# Altium PCB as_x31.PcbDoc (part 1 of 8) (continued)
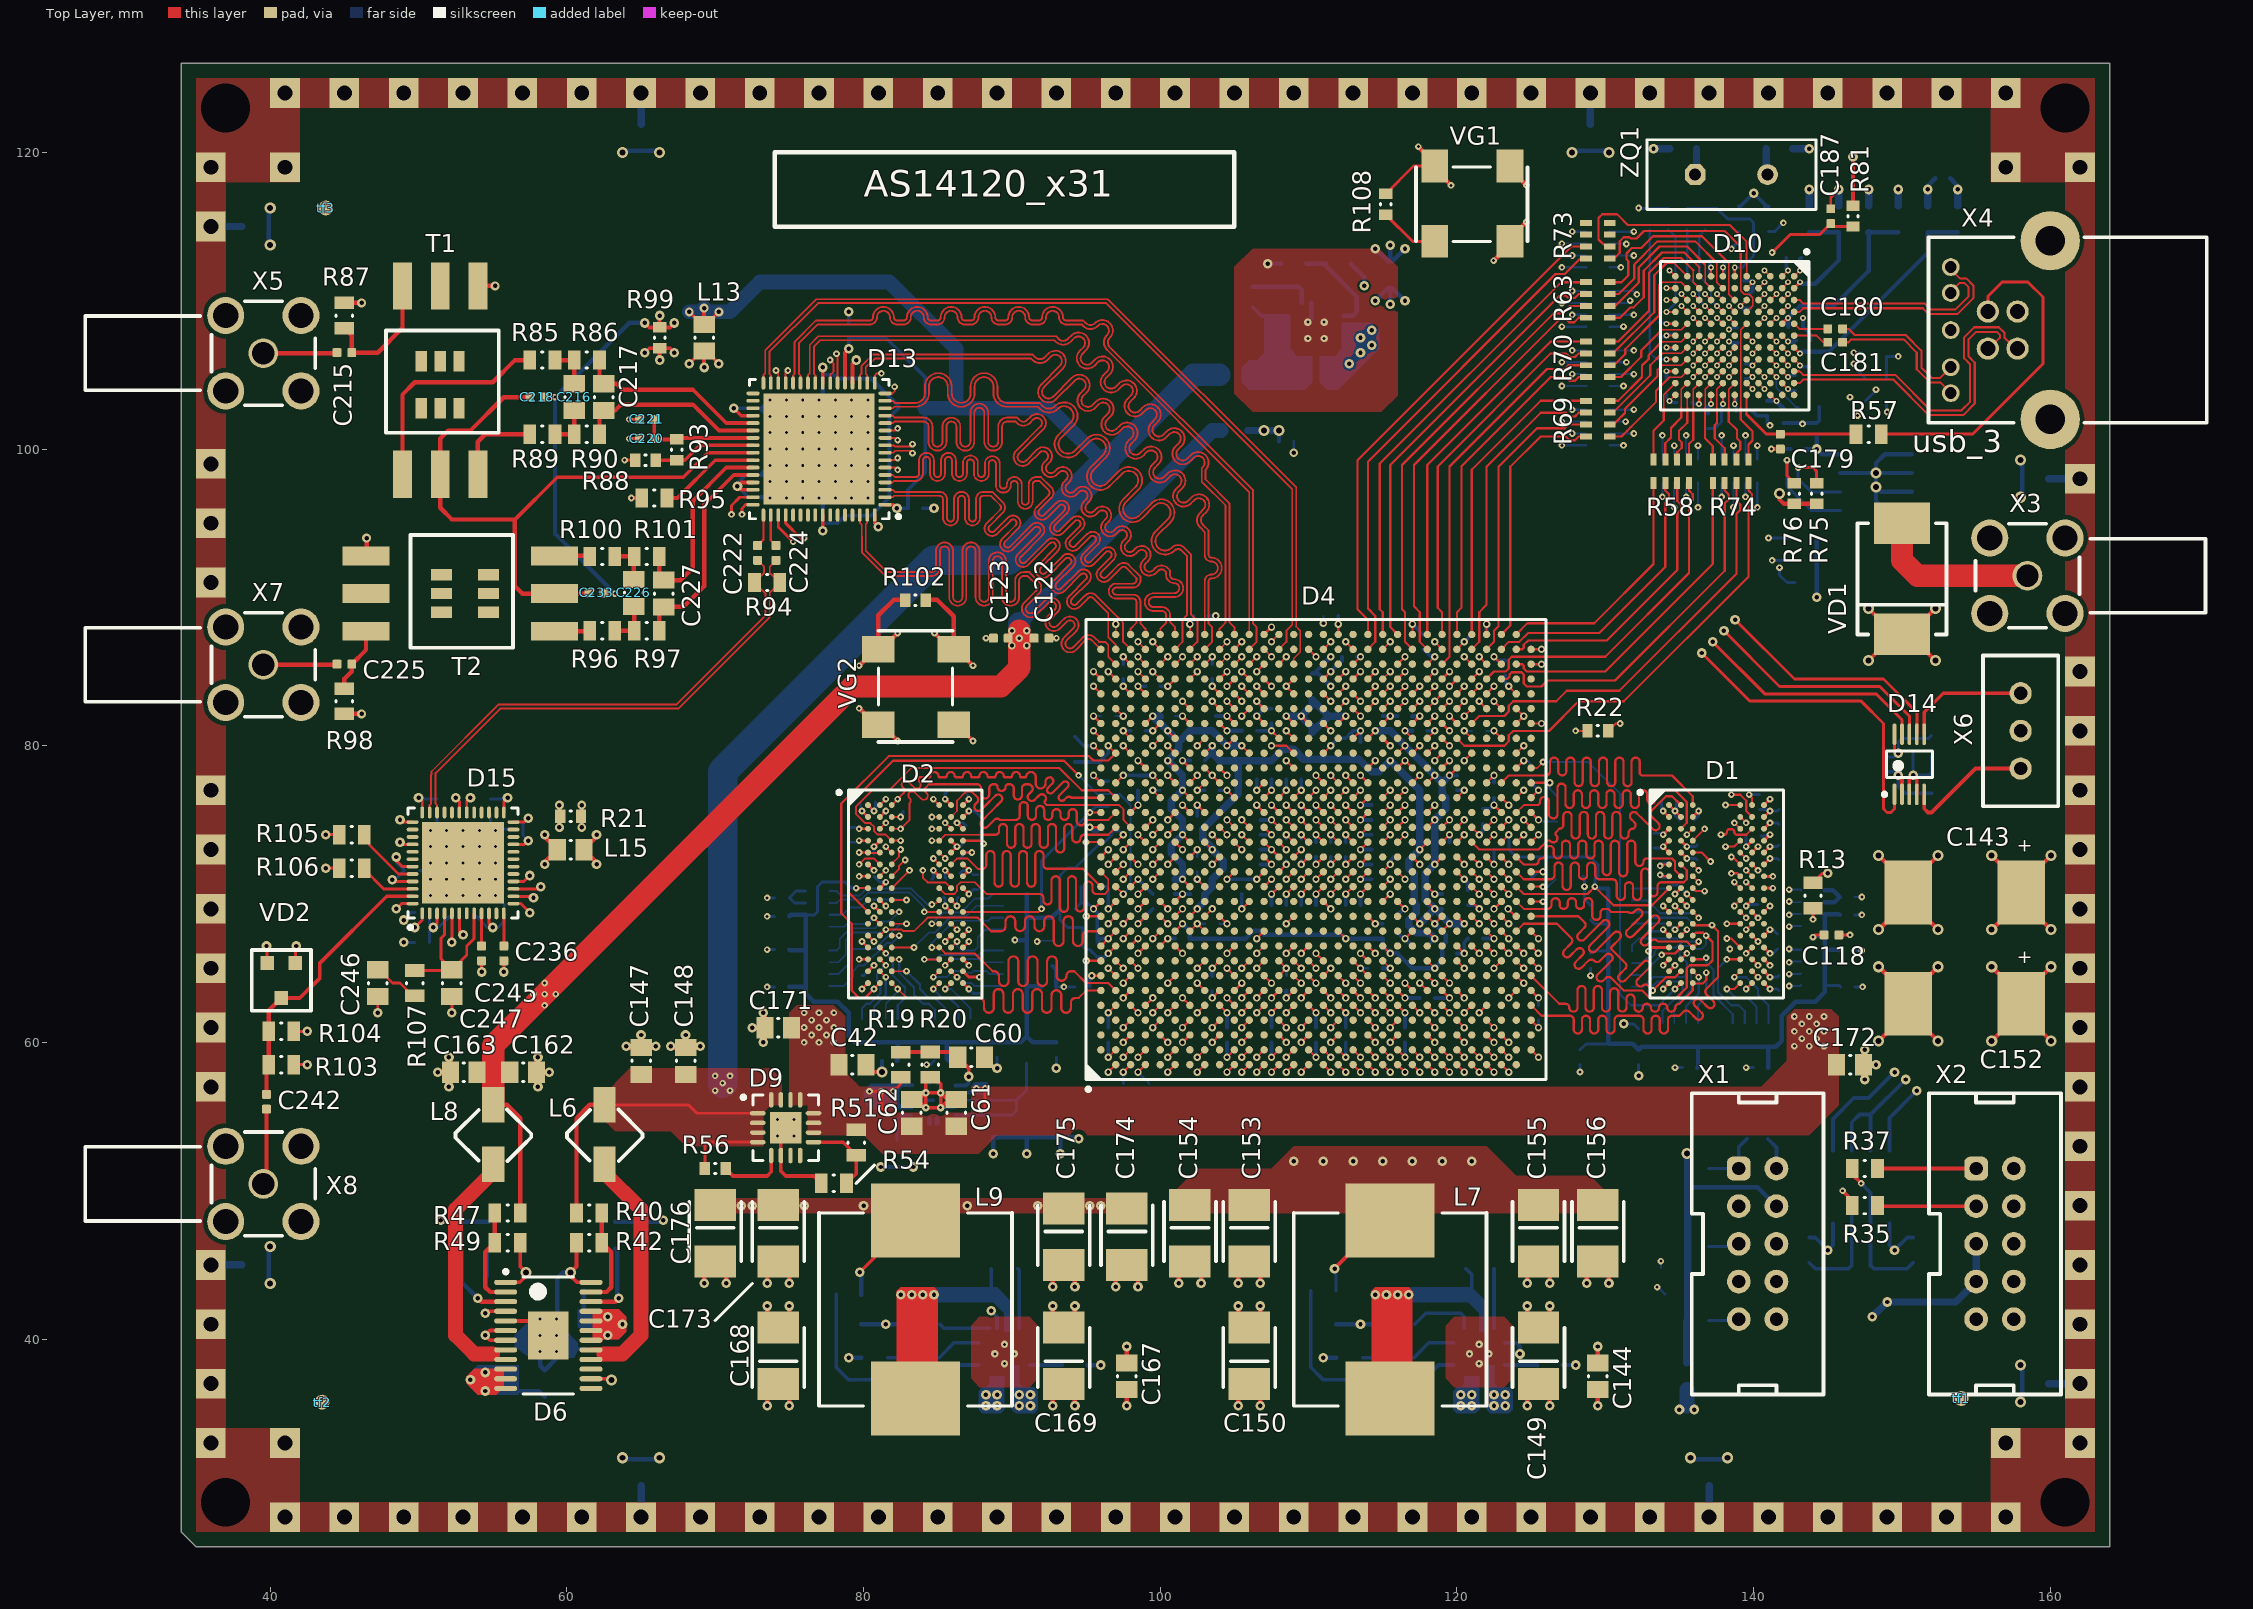
[diagram p0: Top Layer view]
## Components (designator, comment, footprint, x,y, rotation, side; value= is the part's Value field where it differs from the comment) (continued)
C159 "CAP_0805" CAPC0805(2012)100_N 61.25,40.25 r90 bottom
C160 "CAP_0805" CAPC0805(2012)100_N 56.25,39 r270 bottom
C161 "CAP_0805" CAPC0805(2012)100_N 116.25,41 r0 bottom
C162 "CAP_0805" CAPC0805(2012)100_N 57.05,58 r180 top
C163 "CAP_0805" CAPC0805(2012)100_N 53.05,58 r0 top
C164 "CAP_0805" CAPC0805(2012)100_N 54.75,47 r270 bottom
C165 "CAP_0805" CAPC0805(2012)100_N 52.75,47 r270 bottom
C166 "CAP_0805" CAPC0805(2012)100_N 112.75,38.75 r0 bottom
C167 "CAP_0805" CAPC0805(2012)100_N 97.75,37.5 r90 top
C168 "avx_b" AVX_B 74.25,41 r270 top
C169 "avx_b" AVX_B 93.5,41 r270 top
C170 "CAP_0805" CAPC0805(2012)100_N 89.5,44.75 r180 bottom
C171 "CAP_0805" CAPC0805(2012)100_N 74.25,61 r0 top
C172 "CAP_0805" CAPC0805(2012)100_N 146.5,58.5 r180 top
C173 "avx_b" AVX_B 74.25,45 r90 top
C174 "avx_b" AVX_B 97.75,44.75 r90 top
C175 "avx_b" AVX_B 93.5,44.75 r90 top
C176 "avx_b" AVX_B 70,45 r90 top
C177 "CAP_0805" CAPC0805(2012)100_N 84.25,41 r0 bottom
C178 "CAP_0805" CAPC0805(2012)100_N 80.75,38.75 r0 bottom
C179 "CAP 1uF 10V 0402(1005)" CAPC0402(1005)60_M 141.8,100.5 r270 top
C180 "CAP 1uF 10V 0402(1005)" CAPC0402(1005)60_M 145.5,108.1 r180 top
C181 "CAP 1uF 10V 0402(1005)" CAPC0402(1005)60_M 145.5,107.2 r180 top
C182 "CAP_0805" CAPC0805(2012)100_N 135.25,120.25 r0 bottom
C183 "CAP_0805" CAPC0805(2012)100_N 141.75,120.25 r180 bottom
C184 "CAP_0805" CAPC0805(2012)100_N 115.5,111.75 r270 bottom
C185 "CAP 1uF 10V 0402(1005)" CAPC0402(1005)60_M 143.729,111.646 r270 bottom
C186 "CAP_0805" CAPC0805(2012)100_N 145.75,115.5 r270 bottom
C187 "CAP 1uF 10V 0402(1005)" CAPC0402(1005)60_M 145.2,115.7 r270 top
C188 "CAP 1uF 10V 0402(1005)" CAPC0402(1005)60_M 142.829,108.246 r180 bottom
C189 "CAP_0805" CAPC0805(2012)100_N 149.75,115.5 r270 bottom
C190 "CAP 1uF 10V 0402(1005)" CAPC0402(1005)60_M 143.729,106.046 r90 bottom
C191 "CAP_0805" CAPC0805(2012)100_N 153.75,115.5 r270 bottom
C192 "CAP 1uF 10V 0402(1005)" CAPC0402(1005)60_M 133.629,108.046 r90 bottom
C193 "CAP 1uF 10V 0402(1005)" CAPC0402(1005)60_M 137.529,112.746 r180 bottom
C194 "CAP 1uF 10V 0402(1005)" CAPC0402(1005)60_M 138.329,102.546 r0 bottom
C195 "CAP 1uF 10V 0402(1005)" CAPC0402(1005)60_M 152.75,118.25 r180 bottom
C196 "CAP 1uF 10V 0402(1005)" CAPC0402(1005)60_M 139.429,105.246 r270 bottom
C197 "CAP 1uF 10V 0402(1005)" CAPC0402(1005)60_M 142.829,104.446 r270 bottom
C198 "CAP 1uF 10V 0402(1005)" CAPC0402(1005)60_M 135.329,103.146 r0 bottom
C199 "CAP 1uF 10V 0402(1005)" CAPC0402(1005)60_M 138.329,103.546 r0 bottom
C200 "CAP 1uF 10V 0402(1005)" CAPC0402(1005)60_M 134.629,107.246 r270 bottom
C201 "CAP 1uF 10V 0402(1005)" CAPC0402(1005)60_M 137.529,111.846 r180 bottom
C202 "CAP 1uF 10V 0402(1005)" CAPC0402(1005)60_M 108.5,100.5 r180 bottom
C203 "CAP 1uF 10V 0402(1005)" CAPC0402(1005)60_M 138.929,107.646 r270 bottom
C204 "CAP 1uF 10V 0402(1005)" CAPC0402(1005)60_M 134.129,104.246 r90 bottom
C205 "CAP 1uF 10V 0402(1005)" CAPC0402(1005)60_M 139.329,111.846 r90 bottom
C206 "CAP 1uF 10V 0402(1005)" CAPC0402(1005)60_M 139.729,109.946 r270 bottom
C207 "CAP 1uF 10V 0402(1005)" CAPC0402(1005)60_M 136.9,101.9 r90 bottom
C208 "CAP 1uF 10V 0402(1005)" CAPC0402(1005)60_M 142.7,112.9 r180 bottom
C209 "CAP 1uF 10V 0402(1005)" CAPC0402(1005)60_M 143,100 r0 bottom
C210 "CAP 1uF 10V 0402(1005)" CAPC0402(1005)60_M 142,102.25 r90 bottom
C211 "CAP 1uF 10V 0402(1005)" CAPC0402(1005)60_M 140.929,102.746 r90 bottom
C212 "CAP 1uF 10V 0402(1005)" CAPC0402(1005)60_M 144.25,101.25 r270 bottom
C213 "CAP 1uF 10V 0402(1005)" CAPC0402(1005)60_M 143.329,107.346 r180 bottom
C214 "CAP 1uF 10V 0402(1005)" CAPC0402(1005)60_M 139.929,103.046 r90 bottom
C215 "CAP 1uF 10V 0402(1005)" CAPC0402(1005)60_M 45,106.5 r0 top
C216 "CAP_0805" CAPC0805(2012)100_N 60.5,103.5 r90 top
C217 "CAP_0805" CAPC0805(2012)100_N 62.5,103.5 r90 top
C218 "CAP 1uF 10V 0402(1005)" CAPC0402(1005)60_M 58,103.5 r0 top
C219 "CAP 1uF 10V 0402(1005)" CAPC0402(1005)60_M 150.75,80 r270 bottom
C220 "CAP 1uF 10V 0402(1005)" CAPC0402(1005)60_M 65.4,100.7 r180 top
C221 "CAP 1uF 10V 0402(1005)" CAPC0402(1005)60_M 65.4,102 r180 top
C222 "CAP 1uF 10V 0402(1005)" CAPC0402(1005)60_M 72.85,93 r90 top
C223 "CAP 1uF 10V 0402(1005)" CAPC0402(1005)60_M 149,78.75 r270 bottom
C224 "CAP 1uF 10V 0402(1005)" CAPC0402(1005)60_M 74.1,93 r90 top
C225 "CAP 1uF 10V 0402(1005)" CAPC0402(1005)60_M 45,85.5 r0 top
C226 "CAP_0805" CAPC0805(2012)100_N 64.5,90.3 r270 top
C227 "CAP_0805" CAPC0805(2012)100_N 66.54,90.26 r270 top
C228 "CAP 1uF 10V 0402(1005)" CAPC0402(1005)60_M 77.25,104.5 r90 bottom
C229 "CAP 1uF 10V 0402(1005)" CAPC0402(1005)60_M 77.25,95.5 r270 bottom
C230 "CAP 1uF 10V 0402(1005)" CAPC0402(1005)60_M 72.55,102.75 r180 bottom
C231 "CAP 1uF 10V 0402(1005)" CAPC0402(1005)60_M 72.55,98.25 r180 bottom
C232 "CAP 1uF 10V 0402(1005)" CAPC0402(1005)60_M 72.55,96.75 r180 bottom
C233 "CAP 1uF 10V 0402(1005)" CAPC0402(1005)60_M 62,90.3 r0 top
C234 "CAP 1uF 10V 0402(1005)" CAPC0402(1005)60_M 83.5,96 r180 bottom
C235 "CAP 1uF 10V 0402(1005)" CAPC0402(1005)60_M 79,108 r270 bottom
C236 "CAP 1uF 10V 0402(1005)" CAPC0402(1005)60_M 55.75,66 r90 top
C237 "CAP 1uF 10V 0402(1005)" CAPC0402(1005)60_M 54.85,75.9 r90 bottom
C238 "CAP 1uF 10V 0402(1005)" CAPC0402(1005)60_M 51.25,75.9 r90 bottom
C239 "CAP 1uF 10V 0402(1005)" CAPC0402(1005)60_M 49.55,71.6 r180 bottom
C240 "CAP 1uF 10V 0402(1005)" CAPC0402(1005)60_M 55.8,68.7 r270 bottom
C241 "CAP 1uF 10V 0402(1005)" CAPC0402(1005)60_M 56.55,74.4 r0 bottom
C242 "CAP 1uF 10V 0402(1005)" CAPC0402(1005)60_M 39.75,56 r90 top
C243 "CAP 1uF 10V 0402(1005)" CAPC0402(1005)60_M 50.25,66.75 r0 bottom
C244 "CAP 1uF 10V 0402(1005)" CAPC0402(1005)60_M 50.25,68.75 r0 bottom
C245 "CAP 1uF 10V 0402(1005)" CAPC0402(1005)60_M 54.25,66 r90 top
C246 "CAP_0805" CAPC0805(2012)100_N 47.25,64 r90 top
C247 "CAP_0805" CAPC0805(2012)100_N 52.25,64 r90 top
C248 "CAP 1uF 10V 0402(1005)" CAPC0402(1005)60_M 134.3,76.2 r0 bottom
C249 "CAP 1uF 10V 0402(1005)" CAPC0402(1005)60_M 86.2,77 r180 bottom
C250 "CAP 1uF 10V 0402(1005)" CAPC0402(1005)60_M 115.9,68 r90 bottom
C251 "CAP 1uF 10V 0402(1005)" CAPC0402(1005)60_M 125,66.25 r0 bottom
C252 "CAP 1uF 10V 0402(1005)" CAPC0402(1005)60_M 125,78.25 r270 bottom
C253 "CAP 1uF 10V 0402(1005)" CAPC0402(1005)60_M 116,76.75 r180 bottom
D1 "MT41J256M16HA-125" MICT-HA-96 137.5,70 r0 top locked
D2 "MT41J256M16HA-125" MICT-HA-96 83.5,70 r0 top locked
D3 "TPS51200DRCT" TI-DRC10-2400X1650TP_V 84.7,56.1 r180 bottom
D4 "5CEFA7F31C8N" ALTR-896-FBGA-2000A 110.5,73 r90 top locked
D5 "SN65HVD78" 8S1_M 147.25,50.25 r270 bottom
D6 "LTC3615EFE#PBF" LT-FE-24-EPV-AA_N 58.75,40.25 r0 top
D7 "TPS54620RGYR" RGY14-2050X2050TP 121.5,39 r90 bottom
D8 "TPS54620RGYR" RGY14-2050X2050TP 89.5,39 r90 bottom
D9 "ADP1741" CP-16-4_N 74.75,54.25 r0 top
D10 "CYUSB3014" BGA121C80P11X11 138.729,107.646 r270 top locked
D11 "AT24C64(soic)" 8S1_N 148.25,97.75 r180 bottom
D12 "ADP1741" CP-16-4_N 110.5,108 r0 bottom
D13 "AD9640ABCPZ-125" CP-64-6_N 77,100 r180 top
D14 "AD5322ARM" RM-10_L 150.5,78.75 r90 top
D15 "AD9517-4ABCPZ" ADI-CP-48-8_L 53,72.1 r90 top
L1 "BLM21PG300SN1D" CAPC0805(2012)100_N 130.25,59 r90 bottom
L2 "BLM21PG300SN1D" CAPC0805(2012)100_N 91,59.5 r90 bottom
L3 "BLM21PG300SN1D" CAPC0805(2012)100_N 110.25,84 r270 bottom
L4 "BLM21PG300SN1D" CAPC0805(2012)100_N 110.25,80 r90 bottom
L5 "BLM21PG300SN1D" CAPC0805(2012)100_N 135.5,37.5 r270 bottom
L6 "IND_Sumida_CDRH3D16" IND_SUMIDA_CDRH3D16 62.5,53.75 r90 top
L7 "ind_cdr127_sumida" IND_CDR127_SUMIDA 115.5,42 r180 top
L8 "IND_Sumida_CDRH3D16" IND_SUMIDA_CDRH3D16 55,53.75 r90 top
L9 "ind_cdr127_sumida" IND_CDR127_SUMIDA 83.5,42 r180 top
L10 "BLM21PG300SN1D" CAPC0805(2012)100_N 143.75,115.5 r270 bottom
L11 "BLM21PG300SN1D" CAPC0805(2012)100_N 147.75,115.5 r270 bottom
L12 "BLM21PG300SN1D" CAPC0805(2012)100_N 151.75,115.5 r270 bottom
L13 "BLM21PG300SN1D" CAPC0805(2012)100_N 69.25,107.5 r90 top
L14 "BLM21PG300SN1D" CAPC0805(2012)100_N 83.25,102.75 r0 bottom
L15 "BLM21PG300SN1D" CAPC0805(2012)100_N 60.25,73 r0 top
L16 "BLM21PG300SN1D" CAPC0805(2012)100_N 53,68.5 r0 bottom
L17 "BLM21PG300SN1D" CAPC0805(2012)100_N 65,121 r90 bottom
L18 "BLM21PG300SN1D" CAPC0805(2012)100_N 129,121 r90 bottom
L19 "BLM21PG300SN1D" CAPC0805(2012)100_N 159,98 r0 bottom
L20 "BLM21PG300SN1D" CAPC0805(2012)100_N 159,37 r0 bottom
L21 "BLM21PG300SN1D" CAPC0805(2012)100_N 137,31 r270 bottom
L22 "BLM21PG300SN1D" CAPC0805(2012)100_N 65,31 r270 bottom
L23 "BLM21PG300SN1D" CAPC0805(2012)100_N 39,45 r180 bottom
L24 "BLM21PG300SN1D" CAPC0805(2012)100_N 39,115 r180 bottom
L25 "BLM21PG300SN1D" CAPC0805(2012)100_N 105,105 r0 bottom
L26 "BLM21PG300SN1D" CAPC0805(2012)100_N 105,101.25 r0 bottom
R1 "51" CAY16 144,70.25 r270 bottom
R2 "51" CAY16 76.9,67.8 r90 bottom
R3 "51" CAY16 131,63.75 r90 bottom
R4 "51" CAY16 131,67.975 r90 bottom
R5 "51" CAY16 76.9,63.8 r90 bottom
R6 "51" CAY16 144,66.25 r270 bottom
R7 "51" CAY16 90.2,70 r270 bottom
R8 "51" CAY16 87.2,60.8 r180 bottom
R9 "51" CAY16 136.25,60.5 r180 bottom
R10 "51" CAY16 82.3,60.8 r180 bottom
R11 "51" CAY16 141,60.5 r180 bottom
R12 "51" CAY16 90.2,66.2 r270 bottom
R13 "1K 1% 0805(2012)" RESC0805(2012)_L 144,69.9 r90 top
R14 "1K 1% 0805(2012)" RESC0805(2012)_L 92.75,66 r270 bottom
R15 "1K 1% 0805(2012)" RESC0805(2012)_L 126.75,75.75 r270 bottom
R16 "1K 1% 0805(2012)" RESC0805(2012)_L 96.5,76.75 r270 bottom
R17 "1K 1% 0805(2012)" RESC0805(2012)_L 132.25,61.75 r90 bottom
R18 "1K 1% 0805(2012)" RESC0805(2012)_L 94.25,79.75 r270 bottom
R19 "1K 1% 0805(2012)" RESC0805(2012)_L 82.5,58.5 r270 top
R20 "1K 1% 0805(2012)" RESC0805(2012)_L 84.5,58.5 r90 top
R21 "000" RESC0603(1608)_L 60.25,75.25 r180 top
R22 "240" RESC0603(1608)_L 129.5,81 r0 top
R23 "1K 1% 0805(2012)" RESC0805(2012)_L 95.5,70.5 r180 bottom
R24 "1K 1% 0805(2012)" RESC0805(2012)_L 125.8,71 r180 bottom
R25 "1K 5% 0603(1608)" RESC0603(1608)_L 136.25,46.25 r0 bottom
R26 "1K 5% 0603(1608)" RESC0603(1608)_L 136.25,51.5 r0 bottom
R27 "1K 5% 0603(1608)" RESC0603(1608)_L 136.25,41.25 r180 bottom
R28 "1K 5% 0603(1608)" RESC0603(1608)_L 134.75,44.5 r0 bottom
R29 "1K 5% 0603(1608)" RESC0603(1608)_L 134.75,43 r0 bottom
R30 "1K 5% 0603(1608)" RESC0603(1608)_L 143.5,92.5 r180 bottom
R31 "1K 5% 0603(1608)" RESC0603(1608)_L 143.5,94 r180 bottom
R32 "1K 5% 0603(1608)" RESC0603(1608)_L 143.5,91 r180 bottom
R33 "1K 5% 0603(1608)" RESC0603(1608)_L 140.25,53.5 r180 bottom
R34 "1K 1% 0805(2012)" RESC0805(2012)_L 143.75,46 r90 bottom
R35 "1K 1% 0805(2012)" RESC0805(2012)_L 147.5,49 r0 top
R36 "1K 1% 0805(2012)" RESC0805(2012)_L 147.25,44.75 r180 bottom
R37 "1K 1% 0805(2012)" RESC0805(2012)_L 147.5,51.5 r0 top
R38 "1K 1% 0805(2012)" RESC0805(2012)_L 150.75,46 r270 bottom
R39 "1K 1% 0805(2012)" RESC0805(2012)_L 98.4,57.2 r0 bottom
R40 "1K 1% 0805(2012)" RESC0805(2012)_L 61.5,48.5 r180 top
R41 "1K 1% 0805(2012)" RESC0805(2012)_L 111,43.25 r0 bottom
R42 "1K 1% 0805(2012)" RESC0805(2012)_L 61.5,46.5 r180 top
R43 "1K 1% 0805(2012)" RESC0805(2012)_L 64.25,44.25 r180 bottom
R44 "1K 1% 0805(2012)" RESC0805(2012)_L 111,41 r180 bottom
R45 "1K 1% 0805(2012)" RESC0805(2012)_L 126.25,38.25 r0 bottom
R46 "1K 1% 0805(2012)" RESC0805(2012)_L 116.25,38.75 r180 bottom
R47 "1K 1% 0805(2012)" RESC0805(2012)_L 56,48.5 r0 top
R48 "1K 1% 0805(2012)" RESC0805(2012)_L 53.75,44.25 r180 bottom
R49 "1K 1% 0805(2012)" RESC0805(2012)_L 56,46.5 r180 top
R50 "1K 1% 0805(2012)" RESC0805(2012)_L 79,43 r0 bottom
R51 "1K 1% 0805(2012)" RESC0805(2012)_L 79.5,53.25 r90 top
R52 "1K 1% 0805(2012)" RESC0805(2012)_L 79,41 r180 bottom
R53 "1K 1% 0805(2012)" RESC0805(2012)_L 94.25,38.25 r0 bottom
R54 "1K 1% 0805(2012)" RESC0805(2012)_L 78,50.5 r0 top
R55 "1K 1% 0805(2012)" RESC0805(2012)_L 84.25,38.75 r180 bottom
R56 "1K 5% 0603(1608)" RESC0603(1608)_L 70,51.5 r180 top
R57 "1K 1% 0805(2012)" RESC0805(2012)_L 147.75,101 r0 top
R58 "22" CAY16 133.25,98.5 r0 top
R59 "1K 5% 0603(1608)" RESC0603(1608)_L 148.25,106.25 r180 bottom
R60 "???" RESC0603(1608)_L 143.729,102.846 r0 bottom
R61 "1K 5% 0603(1608)" RESC0603(1608)_L 148.25,104.75 r180 bottom
R62 "1K 5% 0603(1608)" RESC0603(1608)_L 148.25,103.25 r180 bottom
R63 "22" CAY16 129.5,111.25 r270 top
R64 "22" CAY16 129.5,104.25 r90 bottom
R65 "22" CAY16 136.25,98.5 r180 bottom
R66 "22" CAY16 129.5,108.25 r90 bottom
R67 "Value" CAY16 140.25,98.5 r180 bottom
R68 "1K 1% 0805(2012)" RESC0805(2012)_L 141,115.5 r90 bottom
R69 "22" CAY16 129.5,103.25 r270 top
R70 "22" CAY16 129.5,107.25 r270 top
R71 "22" CAY16 129.5,100.25 r90 bottom
R72 "22" CAY16 129.5,112.25 r90 bottom
R73 "22" CAY16 129.5,115.25 r270 top
R74 "22" CAY16 137.25,98.5 r0 top
R75 "1K 5% 0603(1608)" RESC0603(1608)_L 144.25,97 r270 top
R76 "1K 5% 0603(1608)" RESC0603(1608)_L 142.75,97 r270 top
R77 "1K 5% 0603(1608)" RESC0603(1608)_L 136.75,115.5 r90 bottom
R78 "1K 5% 0603(1608)" RESC0603(1608)_L 135.5,115.5 r90 bottom
R79 "1K 5% 0603(1608)" RESC0603(1608)_L 134.25,115.5 r90 bottom
R80 "1K 5% 0603(1608)" RESC0603(1608)_L 133,115.5 r90 bottom
R81 "1K 5% 0603(1608)" RESC0603(1608)_L 146.7,115.7 r90 top
R82 "1K 1% 0805(2012)" RESC0805(2012)_L 112,112.5 r0 bottom
R83 "1K 1% 0805(2012)" RESC0805(2012)_L 109,112.5 r0 bottom
R84 "1K 5% 0603(1608)" RESC0603(1608)_L 106.25,110.25 r270 bottom
R85 "1K 1% 0805(2012)" RESC0805(2012)_L 58.35,106 r180 top
R86 "1K 1% 0805(2012)" RESC0805(2012)_L 61.35,106 r180 top
R87 "1K 1% 0805(2012)" RESC0805(2012)_L 45,109 r270 top
R88 "1K 5% 0603(1608)" RESC0603(1608)_L 65.3,99.25 r0 top
R89 "1K 1% 0805(2012)" RESC0805(2012)_L 58.35,101 r180 top
R90 "1K 1% 0805(2012)" RESC0805(2012)_L 61.35,101 r180 top
R91 "1k" RESC0603(1608)_L 152,77.5 r270 bottom
R92 "1k" RESC0603(1608)_L 152,80 r90 bottom
R93 "1K 5% 0603(1608)" RESC0603(1608)_L 67.4,99.95 r90 top
R94 "100" RESC0805(2012)_L 73.5,91 r180 top
R95 "10k 1%" RESC0805(2012)_L 65.9,96.7 r180 top
R96 "1K 1% 0805(2012)" RESC0805(2012)_L 62.39,87.76 r180 top
R97 "1K 1% 0805(2012)" RESC0805(2012)_L 65.39,87.76 r180 top
R98 "1K 1% 0805(2012)" RESC0805(2012)_L 45,83 r90 top
R99 "000" RESC0603(1608)_L 66.25,107.5 r270 top
R100 "1K 1% 0805(2012)" RESC0805(2012)_L 62.39,92.76 r180 top
R101 "1K 1% 0805(2012)" RESC0805(2012)_L 65.39,92.76 r180 top
R102 "1K 5% 0603(1608)" RESC0603(1608)_L 83.5,89.8 r180 top
R103 "1K 1% 0805(2012)" RESC0805(2012)_L 40.75,58.5 r0 top
R104 "1K 1% 0805(2012)" RESC0805(2012)_L 40.75,60.75 r180 top
R105 "1K 1% 0805(2012)" RESC0805(2012)_L 45.5,74 r180 top
R106 "1K 1% 0805(2012)" RESC0805(2012)_L 45.5,71.75 r180 top
R107 "1K 1% 0805(2012)" RESC0805(2012)_L 49.75,64 r270 top
R108 "1K 5% 0603(1608)" RESC0603(1608)_L 115.2,116.5 r270 top
R109 "1K 1% 0805(2012)" RESC0805(2012)_L 139,115.5 r90 bottom
T1 "TT1-6" TT!-6-KK81 54,111 r180 top
T2 "TT1-6" TT!-6-KK81 46.46,92.8 r270 top
tf1 "" fiducial_1/2 154,36 r0 top
tf2 "" fiducial_1/2 43.5,35.75 r0 top
tf3 "" fiducial_1/2 43.75,116.25 r0 top
VD1 "30BQ60" SMC 150,91.5 r90 top
VD2 "BAV99" SO-G3/X.9 40.75,64.175 r180 top
VG1 "kxo-v97" KXO-V97 118.5,114 r0 top
VG2 "kxo-v97" KXO-V97 81,86.5 r270 top
X1 "IDC10" IDC10M 139,51.5 r90 top
X2 "IDC10" IDC10M 155,51.5 r90 top
X3 "sma" SMA 158.46,91.46 r180 top
X4 "USB_3_B" USB3_B 153.29,108.02 r90 top
X5 "sma" SMA 39.54,106.46 r0 top
X6 "HU-3" HU-3 158,78.46 r90 top
X7 "sma" SMA 39.54,85.46 r0 top
X8 "sma" SMA 39.54,50.46 r0 top
ZQ1 "Resonator" BCY-W2/E4.7 138.5,118.5 r0 top

## Footprints (in the part's own frame and the unit in brackets; to place one, negate y for a bottom-side part, rotate by r counter-clockwise, add the part's x,y. Pads: shape width x height; smd on the part's side, far side on the other; paste and mask are expansions set on the pad)
8S1_M [mm] "SOIC, 8-Leads, Body 4.9x3.9mm, Pitch 1.27mm, IPC Low Density"
  oval 2.5x0.7 smd: 1(-2.45,1.905) 2(-2.45,0.635) 3(-2.45,-0.635) 4(-2.45,-1.905) 5(2.45,-1.905) 6(2.45,-0.635) 7(2.45,0.635) 8(2.45,1.905)
  silkscreen extent -2.57,-2.55 0.8,2.93, body extent -1.99,-2.52 1.99,2.52, height 1.75
8S1_N [mm] "SOIC, 8-Leads, Body 4.9x3.9mm, Pitch 1.27mm, IPC Medium Density"
  oval 2.2x0.6 smd: 1(-2.4,1.905) 2(-2.4,0.635) 3(-2.4,-0.635) 4(-2.4,-1.905) 5(2.4,-1.905) 6(2.4,-0.635) 7(2.4,0.635) 8(2.4,1.905)
  silkscreen extent -2.53,-2.55 0.9,2.88, body extent -1.99,-2.52 1.99,2.52, height 1.75
ADI-CP-48-8_L [mm] "QFN, 48-Leads, Body 7x7mm, Pitch 0.5mm, Thermal Pad 5.5x5.5mm, IPC High Density"
  oval 0.8x0.25 smd: 1(-3.4,2.75) 2(-3.4,2.25) 3(-3.4,1.75) 4(-3.4,1.25) 5(-3.4,0.75) 6(-3.4,0.25) 7(-3.4,-0.25) 8(-3.4,-0.75) 9(-3.4,-1.25) 10(-3.4,-1.75) 11(-3.4,-2.25) 12(-3.4,-2.75) 25(3.4,-2.75) 26(3.4,-2.25) 27(3.4,-1.75) 28(3.4,-1.25) 29(3.4,-0.75) 30(3.4,-0.25) 31(3.4,0.25) 32(3.4,0.75) 33(3.4,1.25) 34(3.4,1.75) 35(3.4,2.25) 36(3.4,2.75)
  oval 0.25x0.8 smd: 13(-2.75,-3.4) 14(-2.25,-3.4) 15(-1.75,-3.4) 16(-1.25,-3.4) 17(-0.75,-3.4) 18(-0.25,-3.4) 19(0.25,-3.4) 20(0.75,-3.4) 21(1.25,-3.4) 22(1.75,-3.4) 23(2.25,-3.4) 24(2.75,-3.4) 37(2.75,3.4) 38(2.25,3.4) 39(1.75,3.4) 40(1.25,3.4) 41(0.75,3.4) 42(0.25,3.4) 43(-0.25,3.4) 44(-0.75,3.4) 45(-1.25,3.4) 46(-1.75,3.4) 47(-2.25,3.4) 48(-2.75,3.4)
  rect 5.5x5.5 smd: 49(0,0)
  silkscreen extent -4.47,-3.7 3.7,3.7, body extent -3.55,-3.55 3.55,3.55, height 1